# Altium PCB DD2090_4CAM_FFC.PcbDoc (part 4 of 4) (continued)
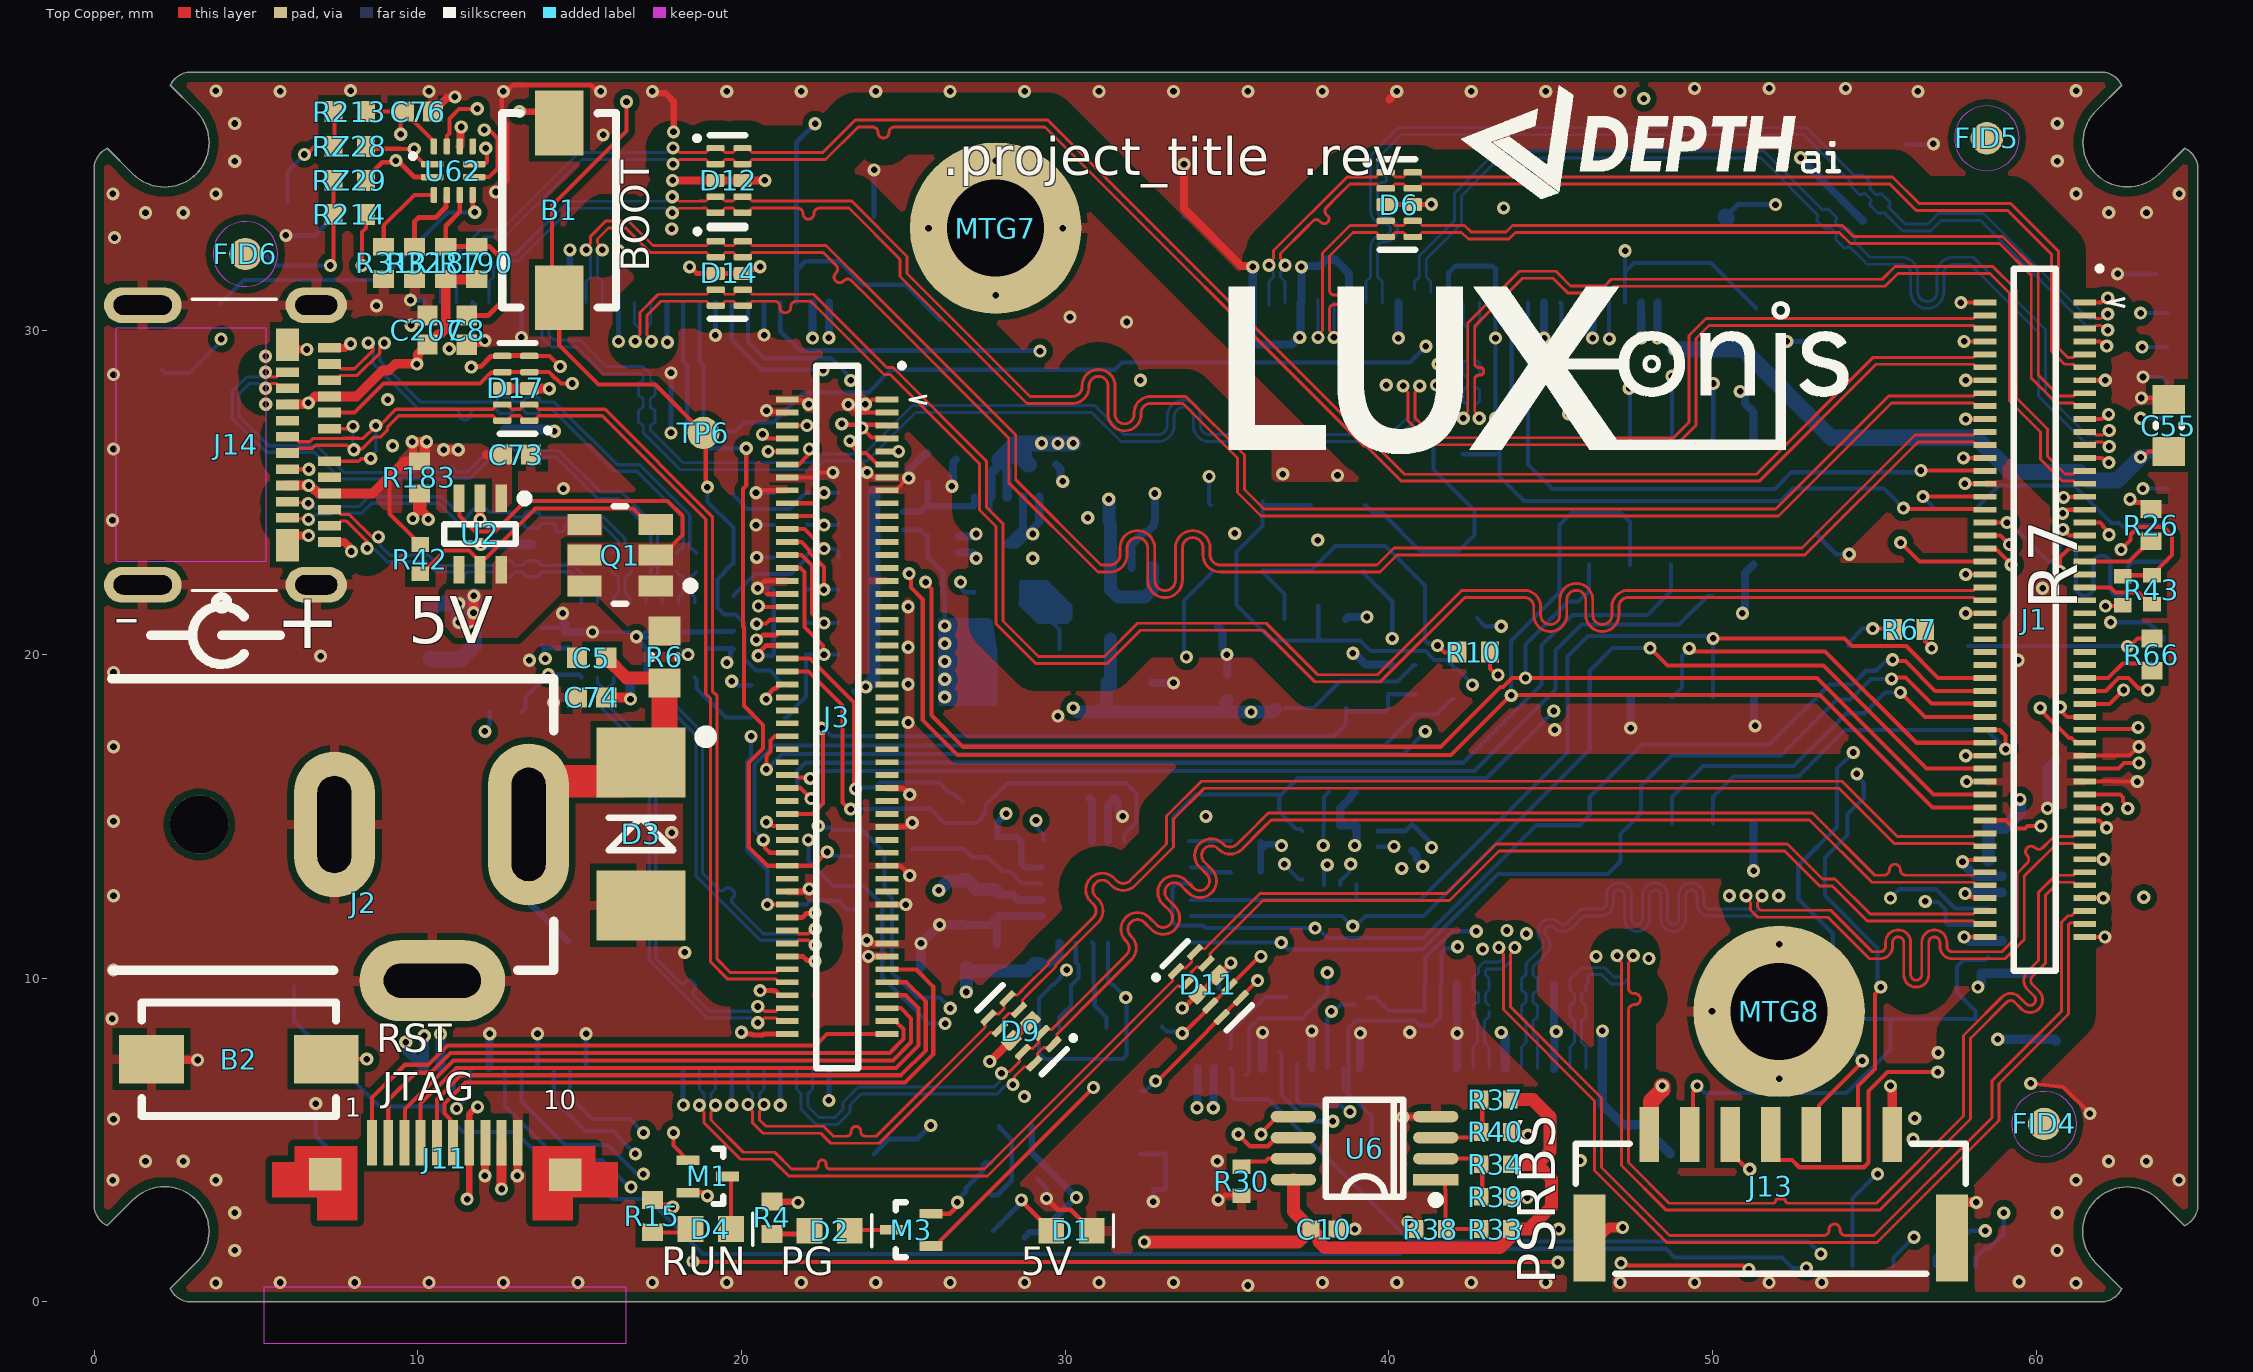
[diagram p0: Top Copper view]
## Nets (pads, with @x,y where several pads share a name; then routed paths per layer and width w, separated by ;. In a path a pad name is that pad's centre, name@x,y a point inside that pad or via, vN(x,y) a via of type N, cw(c..) or ccw(c..) an arc to the next point about the centre after c; other vN are vias at no path point) (continued)
  Layer 2 w0.127: 19.261,18.886 20.3,17.848 v1(20.3,17.47)
  Layer 2 w0.15: 9.902,26.252 9.902,25.289 9.47,24.856 9.47,21.003 11.478,18.995 14.194,18.995 14.203,19.005 19.143,19.005 19.261,18.886
  Layer 2 w0.3: v1(6.623,27.775) 6.623,26.65 5.975,26.002 5.975,25.5 6.257,25.218 v1@6.624,25.218 ; v1(6.629,25.223) v1@6.624,25.218 ; 10.419,29.632 9.852,29.065 9.852,26.912 10.232,26.532 10.511,26.252 ; v1(11.25,26.325) v1(10.8,26.325) 10.78,26.305 10.563,26.305 10.511,26.252 ; v1@6.624,25.218 8.868,25.218 9.902,26.252 10.511,26.252
  Layer 3 w0.3: v1(6.629,25.223) 10.448,25.223 11.23,26.005 11.23,26.305 v1(11.25,26.325)
  Bottom Layer w0.127: 20.176,14.375 20.176,13.949 ; v1(20.3,17.47) 20.3,16.822 20.176,16.698 20.176,13.949 ; TP40.1@23.5,12.125 23.264,12.125 22.995,12.393 22.122,12.393 22.004,12.275 v1(20.8,12.275) 20.8,13.325 20.176,13.949
VBUS_DET: C8.2 R187.2 R190.2 U62.5 | length 6.3
  Top Copper w0.152: U62.5@11.298,34.2 11.298,33.675 10.864,33.242 R187.2@10.864,32.6 12.223,32.6 12.598,32.225 12.598,30.9 12.168,30.471 C8.2@11.515,30.471
VDD_5V: C1.1 C2.1 C3.2 C4.2 C6.2 C76.2 J3.5 J3.6 J3.7 J3.8 J3.9 J3.10 J3.11 J3.12 J12.1 J12.2 J12.3 J13.1 Q1.4 R3.2 R4.2 R15.2 R213.2 R214.2 U1.2 U1.3 U1.10 U2.6 U4.1 U4.3 U62.12 | length 152.5
  Top Copper w0.127: v1(8.275,32.02) 8.275,33.05 8.398,33.173 R214.2@8.398,33.6 ; R213.2@8.423,36.775 C76.2@9.573,36.775 ; v1(9.473,36.075) 9.473,36.675 C76.2@9.573,36.775 ; U62.12@10.498,35.7 10.498,35.85 9.819,36.529 C76.2@9.573,36.775 ; v1(20.65,26.8) 20.775,26.675 J3.8@21.415,26.675 ; v1(20.825,26.275) J3.10@21.415,26.275 ; J3.12@21.415,25.875 21.775,25.875 22.075,26.175 22.075,26.325 v1(22.1,26.35) ; J3.6@21.415,27.075 v1(22.025,27.075) ; v1(23.1,27.125) 23.125,27.1 24.47,27.1 J3.5@24.495,27.075 ; v1(23.35,26.6) 23.35,26.524 23.547,26.327 23.547,26.299 23.622,26.225 23.85,26.225 24.2,25.875 J3.11@24.495,25.875 ; v1(23.725,27) 24.023,26.702 24.469,26.702 J3.7@24.495,26.675 ; J3.9@24.495,26.275 v1(24.857,26.275)
  Top Copper w0.2: R15.2@17.248,3.15 17.423,2.975 17.779,2.975 17.821,2.933 v1(17.877,2.933) ; R4.2@20.948,3.1 20.96,3.088 21.735,3.088 v1(21.748,3.075)
  Top Copper w0.3: v1@11.723,20.738 v1@11.723,21.875 ; v1(11.734,21.814) v1@11.734,21.866
  Top Copper w0.5: J13.1@48.1,4.774 48.1,6.2 48.45,6.55 v1(48.45,6.672)
  Layer 2 w0.127: 8.705,32.45 9.425,32.45
  Layer 2 w0.2: v1(17.877,2.933) 18.494,2.933 18.557,2.87 21.487,2.87 21.692,3.075 25.123,3.075 25.523,2.675 29.8,2.675 v1(30.35,3.225)
  Layer 2 w0.3: v1(8.275,32.02) 8.705,32.45
  Layer 3 w0.127: v1(8.275,32.02) 8.903,32.648 8.903,35.505 v1(9.473,36.075) ; v1(26.77,22.24) 27.29,22.24 28.075,23.025 28.075,24.85
  Layer 3 w0.2: 24.017,26.125 24.617,26.725 31.498,26.725 35.873,31.1 52.373,31.1 54.923,28.55 54.923,25.599 54.745,25.421 54.745,22.414 ; 54.014,21.353 54.014,22.414 54.745,22.414 ; 54.525,21.3 54.948,21.723 54.948,22.155 54.745,22.358 54.745,22.414
  Layer 3 w0.5: v1(30.35,3.225) 31.075,2.5 36.425,2.5 39.88,5.955 39.88,6.425 41.555,8.1 41.555,12.18 44.333,14.958 46.255,14.958 48.625,17.327 ; v1(48.45,6.672) 48.625,6.847 48.625,17.327 ; 53.996,22.032 53.329,22.032 48.625,17.327
  Bottom Layer w0.127: v1(26.77,22.24) 26.823,22.186 26.823,22.002 26.9,21.925 U1.10@27.2,21.925 ; U1.2@27.7,24.5 U1.2@27.7,24.875
  Bottom Layer w0.2: R3.2@28.75,2 28.908,2.158 29.258,2.158 v1@30.325,3.225 ; 28.975,5.425 28.975,4.6 v1(30.35,3.225)
  Bottom Layer w0.3: U1.2@27.7,24.875 27.7,25.6 C2.1@27.975,25.875 ; C2.1@27.975,26.025 28.725,26.025 C1.1@28.875,25.875 ; C2.1@28.025,26.025 28.075,25.975 28.075,25.875 28.21,25.74 28.21,24.885 U1.3@28.2,24.875
  Bottom Layer w0.4: v1(31.349,24.8) 31.35,24.799 31.35,24.125 C6.2@31.375,24.1 ; C6.2@31.399,23.999 U4.1@31.399,22.683 31.399,22.009 31.633,21.775 32.464,21.775 32.699,22.009 U4.3@32.699,22.683 ; J12.3@58.525,13.65 58.525,14.65 59.025,14.65 59.5,15.125 v1(59.5,15.525)
  Bottom Layer w0.5: C4.2@10.398,19.874 10.421,19.85 11.323,19.85 11.734,20.262 v1(11.734,21.814) ; C3.2@10.398,21.399 10.574,21.575 v1(11.273,21.575) v1(11.273,21) ; C2.1@27.975,26.025 28.475,26.525 28.725,26.525 ; C1.1@28.875,25.875 28.725,26.025 28.725,26.525 ; v1(30.249,26.526) v1(29.775,26.525) 28.725,26.525
  other v1: 11.72,20.73 11.722,21.291 29.274,26.526
WAKE: J3.68 U7.9 U12.6 | length 24.7
  Top Copper w0.127: v1(20.773,14.825) 20.848,14.825 20.972,14.701 21.389,14.701 J3.68@21.415,14.675
  Layer 2 w0.127: v1(29.1,14.875) 31.035,12.94 39.276,12.94 40.132,13.797 40.132,14.044 v1(40.16,14.072)
  Layer 3 w0.127: v1(20.773,14.825) 21.975,14.825 23.75,16.6 25,16.6 27.275,14.325 28.55,14.325 v1(29.1,14.875)
  Bottom Layer w0.127: v1(29.1,14.875) 29.153,14.822 29.153,14.621 29.328,14.446 U12.6@29.328,14.234 ; U7.9@39.662,14.05 39.673,14.061 40.149,14.061 v1(40.16,14.072)
XIN: C48.2 U12.27 Y1.1 | length 2.9
  Bottom Layer w0.127: Y1.1@29.815,8.467 29.815,8.792 30.18,9.157 C48.2@30.18,9.794 30.2,9.794 30.416,10.01 30.416,10.411 30.328,10.499 U12.27@30.328,11.109
XOUT: C47.2 U12.26 Y1.2 | length 2.8
  Bottom Layer w0.127: U12.26@30.828,11.109 30.872,11.065 30.872,9.837 C47.2@30.915,9.794 30.915,9.152 31.275,8.792 Y1.2@31.275,8.467
pads on no net: FID1.1 FID2.1 FID3.1 FID4.1 FID5.1 FID6.1 J1.43 J1.47 J1.49 J1.51 J1.52 J1.53 J1.54 J1.55 J1.56 J1.57 J1.58 J2. J3.17 J3.19 J3.21 J3.23 J3.25 J3.27 J3.31 J3.33 J3.35 J3.37 J3.39 J3.41 J3.43 J3.45 J3.47 J3.48 J3.49 J3.50 J3.51 J3.52 J3.53 J3.55 J3.56 J3.57 J3.58 J3.59 J3.63 J3.64 J3.65 J3.69 J3.70 J3.71 J3.75 J3.76 J3.77 J3.81 J3.83 J8.11 J8.12 J8.13 J8.14 J8.15 J9.11 J9.12 J9.13 J9.14 J9.15 J11.11 J11.12 J14.A8 J14.B8 U1.8 U2.4 U4.4 U7.2 U7.3 U7.10 U7.11 U12.1 U12.7 U12.8 U12.12 U12.13 U12.21 U12.22 U12.23 U12.24 U62.9
copper on no net: | length 2.7
  Bottom Layer w0.15: 27.715,3.3 27.92,3.3 27.995,3.375 27.995,3.395 28.35,3.75 28.35,5 27.975,5.375 27.975,5.425

## Polygon pours and split planes (outlines as drawn)
GND on Layer 3 "GND_L4" (solid, remove dead copper, pour order 15): -0.112,2.321 2.388,-0.179 61.821,-0.179 64.997,2.997 64.997,35.235 62.411,37.821 2.513,37.821 -0.112,35.196
3V3 on Layer 3 "3V3_L4" (solid, remove dead copper, pour order 1): 19.75,28.6 21.948,28.6 25.098,31.75 25.098,32.275 24.773,32.6 17.498,32.6 13.273,28.375 13.273,20.45 11.55,18.727 11.55,6.098 12.073,5.575 34.823,5.575 36.923,7.675 36.923,11.475 49.873,24.425 49.873,29.4 49.248,30.025 47.573,30.025 40.348,22.8 19.548,22.8 18.05,24.298 18.05,26.9
VDD_5V on Layer 3 "VDD_5V_L4" (solid, remove dead copper, pour order 0): 18.973,25.275 19.873,24.375 34.323,24.375 40.873,30.925 49.698,30.925 51.198,29.425 51.198,20.875 52.098,19.975 55.523,19.975 56.073,20.525 56.073,30.925 51.573,35.425 30.398,35.425 22.923,27.95 20.248,27.95 18.973,26.675
3V3 on Layer 3 "3V3_L04_P009" (solid, remove dead copper, pour order 9): 11.55,10.2 10.7,9.35 9.375,9.35 8.675,8.65 8.675,6.875 9.45,6.1 11.55,6.1
VDD_5V on Layer 3 "VDD_5V_L04_P012" (solid, remove dead copper, pour order 12): 56.05,22.45 56.775,22.45 61.175,18.05 61.175,14.9 60.825,14.55 59,14.55 57.975,15.575 57.975,17.225 55.2,20
VBUS on Layer 3 "VBUS_L4" (solid, remove dead copper, pour order 14): 6.748,29.3 6.148,28.7 6.148,25.177 6.55,24.775 10.523,24.775 11.548,25.8 11.548,30.1 11.348,30.3 10.348,30.3 10.148,30.1 10.148,29.6 9.548,29 7.848,29 7.548,29.3
GND on Layer 2 "GND_L3" (solid, remove dead copper, pour order 11): 0.223,2.45 2.673,0 61.997,0 64.997,2.999 64.997,35.002 61.973,38.025 2.673,38.025 -0.027,35.325 -0.027,2.725 0.248,2.45
VDD_5V on Layer 2 "VDD_5V_L3" (solid, remove dead copper, pour order 2): 10.823,21.05 11.448,20.425 14.648,20.425 15.598,21.375 15.598,22.75 16.948,24.1 23.848,24.1 24.823,25.075 24.823,27.7 23.798,28.725 21.973,28.725 16.423,34.275 8.223,34.275 7.923,33.975 7.923,32.75 8.598,32.075 10.973,32.075 12.398,30.65 12.398,23.95 10.823,22.375
VBUS on Layer 2 "VBUS_L3" (solid, remove dead copper, pour order 4): 5.548,23.352 6.25,22.65 9.848,22.65 11.498,24.3 11.498,30.275 10.523,31.25 6.858,31.25 5.548,29.94
1V8 on Layer 2 "1V8_L3" (solid, remove dead copper, pour order 3): 10.823,8.35 10.823,6.275 11.223,5.875 23.848,5.875 30.548,12.575 30.548,18.9 30.148,19.3 23.848,19.3 23.848,15.8 19.398,11.35 13.823,11.35
GND on Top Copper "GND_L1" (solid, remove dead copper, pour order 18): -0.027,3.45 -0.027,2.65 2.598,0.025 62.025,0.025 64.997,2.997 64.997,35.002 61.948,38.05 2.659,38.05 -0.027,35.364
NetQ1_1 on Top Copper "NETQ1_1_L01_P018_DC" (solid, remove dead copper, pour order 5): 17.075,20.275 15.55,21.8 14.625,21.8 14.625,22.725 14.625,23.45 18.4,23.45 18.4,20.275
VDD_5V on Top Copper "VDD_5V_TOP_DC" (solid, remove dead copper, pour order 10): 11.657,24.375 10.828,23.546 10.828,20.878 11.182,20.525 13.082,20.525 15.7,23.143 15.7,24.375
VBUS on Top Copper "VBUS_TOP_DC" (solid, remove dead copper, pour order 6): 8.725,24.375 12.9,24.375 12.9,26.65 12.297,27.253 9.872,27.253 8.725,26.107
GND on Bottom Layer "tgr" (solid, remove dead copper, pour order 17): -0.102,2.6 -0.052,2.55 2.598,-0.1 61.897,-0.1 65,3.003 65,35.232 62.182,38.05 2.623,38.05 -0.077,35.35 -0.077,2.65 -0.102,2.625
GND on Layer 4 (split plane): 195 vertices, not listed, extent 0.4,0.401 64.599,37.596
GND on Layer 1 (split plane): 195 vertices, not listed, extent 0.4,0.401 64.599,37.596

## Other copper
Top Copper:
  pour cut-out: 25.629,4.996 26.475,4.15 28.137,5.812 27.244,6.706 26.125,6.25
  pour cut-out: 29.9,25.198 30.748,24.35 33.825,24.35 34.375,24.9 34.375,25.975 33.325,27.025 29.9,27.025
  pour cut-out: 19.598,1.65 20.773,1.65 20.948,1.825 20.948,3.35 20.473,3.825 19.673,3.025 19.673,1.85
  pour cut-out: 28.548,21.5 29.548,20.5 31.048,20.5 32.048,21.5 32.048,22.1 30.348,23.8 28.548,23.8
  pour cut-out: 38.848,32.35 38.848,28.896 39.322,28.421 43.327,32.425 38.948,32.425 38.898,32.375
  pour cut-out: 44.323,30.75 43.398,29.825 43.398,27.75 43.773,27.375 48.423,27.375 48.773,27.725 48.773,30.775
  pour cut-out: 50.073,29.575 50.073,26.225 50.948,26.225 53.973,29.25 53.973,29.55
  pour cut-out: 36.498,22.15 36.498,21.275 37.698,20.075 39.248,20.075 40.973,21.8 40.973,22.075
Bottom Layer:
  region net 3V3: 27.75,21.05 27.675,21.125 26.075,21.125 26.075,18.425 27.9,18.425 27.9,20.075
  region net LX1: 28.6,22.3 29.45,22.3 30.225,21.525 30.225,21.1 30.075,20.95 29.15,20.95 28.575,21.525
  pour cut-out: 28.225,19.175 30.225,19.175 29.875,19.525 28.5,19.525
  pour cut-out: 32.621,28.434 32.838,28.65 39.345,28.65 39.685,28.31 38.963,27.588 32.646,27.588 32.646,28.359
  pour cut-out: 38.248,25.1 38.948,25.8 40.948,25.8 41.548,25.2 41.548,25.1 39.848,23.4 39.128,23.4 38.273,24.255 38.273,25.025
  pour cut-out: 58.202,17.655 58.148,17.71 58.148,19.3 57.348,19.3 57.139,19.091 57.139,18.109 57.548,17.7
  pour cut-out: 44.61,29.068 44.603,29.068 44.603,26.876 44.566,26.84 44.732,26.675 45.803,26.675 45.803,27.875
  pour cut-out: 29.648,7.6 31.108,7.6 31.275,7.767 31.275,8.092 30.9,8.467 30.733,8.3 29.648,8.3
  pour cut-out: 50.648,19.6 50.848,19.8 50.848,21.9 50.748,22 49.448,22 49.448,20.065 49.913,19.6
  pour cut-out: 50.648,23.6 50.648,24.6 50.508,24.74 47.891,24.74 47.622,24.471 47.622,23.926 48.048,23.5 50.548,23.5
  pour cut-out: 19.025,17.825 20.625,17.825 20.725,17.725 19.825,16.825 19.825,13.725 19.225,13.125 19.025,13.325
  pour cut-out: 20.098,9.675 20.563,10.14 20.563,10.318 18.506,12.375 17.823,12.375 17.823,11.05 19.023,9.85 19.673,9.85
  pour cut-out: 40.223,32.85 42.028,34.656 42.028,35.626 40.899,35.626 40.173,34.9 40.173,32.85
Layer 1 (plane layer: these items are gaps in the copper):
  rectangle: 20.981,10.9 21.833,11.654
  rectangle: 20.981,9.7 21.833,10.454
  rectangle: 20.981,8.5 21.833,9.254
  rectangle: 57.986,29.9 58.838,30.654
  rectangle: 57.986,28.7 58.838,29.454
  rectangle: 57.986,27.5 58.838,28.254
  rectangle: 57.986,26.3 58.838,27.054
  rectangle: 57.986,21.5 58.838,22.254
  rectangle: 57.986,13.9 58.838,14.654
  rectangle: 57.986,12.7 58.838,13.454
  rectangle: 57.986,11.5 58.838,12.254
  rectangle: 61.066,11.5 61.918,12.254
  rectangle: 61.066,12.7 61.918,13.454
  rectangle: 61.066,13.9 61.918,14.654
  rectangle: 61.066,29.9 61.918,30.654
  rectangle: 61.066,28.7 61.918,29.454
  rectangle: 61.066,27.5 61.918,28.254
  rectangle: 61.066,26.3 61.918,27.054
  rectangle: 61.066,25.1 61.918,25.854
  rectangle: 5.586,24.014 6.368,24.925
  rectangle: 6.886,23.764 7.668,24.675
  rectangle: 5.586,28.014 6.368,28.925
  rectangle: 6.886,28.264 7.668,29.175
  rectangle: 5.586,26.014 6.368,26.925
  rectangle: 6.886,26.756 7.668,27.175
  rectangle: 6.886,25.755 7.668,26.175
Layer 4 (plane layer: these items are gaps in the copper):
  region: 14.402,31.725 13.502,31.725 13.502,30.025 14.402,30.025
  region: 15.902,31.725 15.002,31.725 15.002,30.025 15.902,30.025
  region: 17.402,31.725 16.502,31.725 16.502,30.025 17.402,30.025
  region: 18.902,31.725 18.002,31.725 18.002,30.025 18.902,30.025
  region: 20.402,31.725 19.502,31.725 19.502,30.025 20.402,30.025
  rectangle: 21.498,6.375 22.398,8.075
  rectangle: 19.998,6.375 20.898,8.075
  rectangle: 18.498,6.375 19.398,8.075
  region: 17.857,21.916 17.857,21.291 18.75,21.291 18.75,21.916
  region: 16.857,21.916 16.857,21.291 17.75,21.291 17.75,21.916
  region: 15.857,21.916 15.857,21.291 16.75,21.291 16.75,21.916
  region: 14.857,21.916 14.857,21.291 15.75,21.291 15.75,21.916
  region: 15.357,19.616 15.357,18.991 16.25,18.991 16.25,19.616
  region: 17.357,19.616 17.357,18.991 18.25,18.991 18.25,19.616
  rectangle: 47.098,6.375 47.998,8.075
  rectangle: 45.598,6.375 46.498,8.075
  rectangle: 44.098,6.375 44.998,8.075
  rectangle: 42.098,30.025 42.998,31.725
  rectangle: 40.598,30.025 41.498,31.725
  rectangle: 39.098,30.025 39.998,31.725
  rectangle: 37.598,30.025 38.498,31.725
  rectangle: 36.098,30.025 36.998,31.725

## Silkscreen, mask and mechanical layers (free items; w line width, h text height)
Top Overlay:
  drawing of 18 lines, arcs and shapes, not listed
  text ".project_title  .rev" at 26.225,34.425 h2
  text "BOOT" at 17.448,31.825 h1.5 r90
  text "RST" at 8.725,7.425 h1.5
  text "JTAG" at 8.9,5.925 h1.5
  text "PSRBS" at 45.525,0.55 h2 r90
  text "RUN" at 17.523,0.525 h1.5
  text "PG" at 21.198,0.525 h1.5
  text "5V" at 28.623,0.525 h1.5
Bottom Overlay:
  lines w0.1: 55,12.25 56,10.75 ; 55.5,11 56,10.75 ; 56,11.25 56,10.75
  lines w0.254: 52.425,12.825 57.425,12.825 57.425,17.325 52.425,17.325 52.425,12.825
  text "AUX" at 50.05,28.275 h1.5
  text "CAMD-4L" at 27.925,27.825 h2
  text "CAMA-4L" at 41.275,27.825 h2
  text "PRBS" at 60.848,25.4 h1.5
  text "FSIN4" at 37.285,25.293 h1
  text "FSIN1" at 40.423,25.293 h1
  text ".project_title  .rev" at 11,23.425 h2
  text "FSIN3" at 37.292,23.332 h1
  text "FSIN2" at 40.43,23.332 h1
  text "SHUTTER SYNC" at 46.275,23.025 h1.5
  text "FSIN EXT" at 43.85,21.825 h1
  text "CAMA -> 1" at 57.175,16.335 h1
  text "CAMB -> 2" at 57.175,15.335 h1
  text "CAMC -> 3" at 57.175,14.336 h1
  text "CAMD -> 4" at 57.175,13.335 h1
  text "QSPI" at 50.175,12.025 h1.5
  text "CAMC-2L" at 23.1,10.3 h2
  text "CAMB-2L" at 43.45,10.3 h2
  text "4" at 54.5,9.75 h1
  text "3" at 55.75,9.761 h1
  text "2" at 57.001,9.75 h1
  text "1" at 58,9.75 h1
Top Mask:
  rectangle: 19.694,31.311 20.394,32.261
  rectangle: 18.859,31.311 19.559,32.261
  rectangle: 12.264,27.761 12.964,28.711
  rectangle: 13.099,27.761 13.799,28.711
  rectangle: 39.555,33.425 40.255,34.375
  rectangle: 40.39,33.425 41.09,34.375
  rectangle: 19.683,34.175 20.383,35.125
  rectangle: 18.848,34.175 19.548,35.125
  region: 64.859,35.914 63.798,34.854 cw(c62.826,35.826) 61.853,34.854 cw(c62.826,35.826) 61.853,36.798 62.914,37.859 61.765,39.008 60.702,37.945 ccw(c62.822,35.826) 60.702,33.707 60.706,33.703 ccw(c62.826,35.822) 64.945,33.703 66.008,34.765
  region: 64.855,2.083 63.795,3.144 ccw(c62.822,2.172) 61.85,3.144 ccw(c62.822,2.172) 61.85,1.2 62.911,0.139 61.762,-1.01 60.699,0.052 cw(c62.818,2.172) 60.699,4.291 60.703,4.295 cw(c62.822,2.176) 64.942,4.295 66.004,3.232
  region: 0.139,35.912 1.2,34.851 ccw(c2.172,35.823) 3.144,34.851 ccw(c2.172,35.823) 3.144,36.796 2.083,37.856 3.232,39.005 4.295,37.943 cw(c2.176,35.823) 4.295,33.704 4.291,33.7 cw(c2.172,35.819) 0.052,33.7 -1.01,34.763
  region: 2.083,0.141 3.144,1.202 ccw(c2.172,2.174) 3.144,3.147 ccw(c2.172,2.174) 1.2,3.147 0.139,2.086 -1.01,3.235 0.052,4.298 cw(c2.172,2.178) 4.291,4.298 4.295,4.294 cw(c2.176,2.174) 4.295,0.055 3.232,-1.008
  region: 34.131,10.198 34.831,9.498 34.906,9.498 35.306,9.898 35.306,9.998 34.656,10.648 34.556,10.648
  region: 33.541,9.607 34.241,8.907 34.316,8.907 34.716,9.307 34.716,9.407 34.066,10.057 33.966,10.057
  region: 28.338,8.765 29.038,8.065 29.113,8.065 29.513,8.465 29.513,8.565 28.863,9.215 28.763,9.215
  region: 27.748,8.175 28.448,7.475 28.523,7.475 28.923,7.875 28.923,7.975 28.273,8.625 28.173,8.625
Bottom Solder:
  rectangle: 44.612,8.624 45.625,9.323
  region: 18.311,27.844 18.311,28.544 17.361,28.544 17.361,27.844
  region: 18.311,27.009 18.311,27.709 17.361,27.709 17.361,27.009
  rectangle: 12.348,22.975 13.048,23.925
  rectangle: 13.183,22.975 13.883,23.925
  rectangle: 12.348,26.5 13.048,27.45
  rectangle: 13.183,26.5 13.883,27.45
  rectangle: 44.612,9.459 45.625,10.158
  rectangle: 41.575,8.626 42.588,9.325
  rectangle: 41.6,9.475 42.613,10.174
  rectangle: 42.812,27.649 43.825,28.348
  rectangle: 42.812,28.459 43.825,29.158
  region: 64.859,35.914 63.798,34.854 cw(c62.826,35.826) 61.853,34.854 cw(c62.826,35.826) 61.853,36.798 62.914,37.859 61.765,39.008 60.702,37.945 ccw(c62.822,35.826) 60.702,33.707 60.706,33.703 ccw(c62.826,35.822) 64.945,33.703 66.008,34.765
  region: 64.855,2.083 63.795,3.144 ccw(c62.822,2.172) 61.85,3.144 ccw(c62.822,2.172) 61.85,1.2 62.911,0.139 61.762,-1.01 60.699,0.052 cw(c62.818,2.172) 60.699,4.291 60.703,4.295 cw(c62.822,2.176) 64.942,4.295 66.004,3.232
  region: 0.139,35.912 1.2,34.851 ccw(c2.172,35.823) 3.144,34.851 ccw(c2.172,35.823) 3.144,36.796 2.083,37.856 3.232,39.005 4.295,37.943 cw(c2.176,35.823) 4.295,33.704 4.291,33.7 cw(c2.172,35.819) 0.052,33.7 -1.01,34.763
  region: 2.083,0.141 3.144,1.202 ccw(c2.172,2.174) 3.144,3.147 ccw(c2.172,2.174) 1.2,3.147 0.139,2.086 -1.01,3.235 0.052,4.298 cw(c2.172,2.178) 4.291,4.298 4.295,4.294 cw(c2.176,2.174) 4.295,0.055 3.232,-1.008
  region: 55.243,33.501 54.543,32.801 54.468,32.801 54.068,33.201 54.068,33.301 54.718,33.951 54.818,33.951
  region: 54.665,34.114 53.965,33.414 53.89,33.414 53.49,33.814 53.49,33.914 54.14,34.564 54.24,34.564
Board:
  lines w0.1: -0.002,2.998 -0.002,35 ; 0,2.999 ccw(c0.711,2.999) 0.41,2.355 ; 0,34.998 cw(c0.711,34.998) 0.41,35.642 ; 0.408,2.356 1.205,3.154 cw(c2.178,2.181) 3.15,1.209 2.353,0.412 ; 0.408,35.641 1.205,34.844 ccw(c2.178,35.816) 3.15,36.789 2.353,37.586 ; 2.354,0.41 ccw(c2.998,0.71) 2.998,0 61.997,0 ccw(c61.997,0.711) 62.641,0.41 ; 2.354,37.588 cw(c2.998,37.288) 2.998,37.998 62.001,37.998 cw(c62.001,37.287) 62.645,37.587 ; 62.64,0.408 61.843,1.205 cw(c62.815,2.178) 63.788,3.15 64.585,2.353 ; 62.644,37.59 61.846,36.792 ccw(c62.819,35.82) 63.791,34.848 64.588,35.645 ; 64.587,2.354 ccw(c64.287,2.998) 64.997,2.998 ; 64.59,35.643 cw(c64.29,35) 65,35 65,3
Fab Notes:
  drawing of 264 lines, arcs and shapes, not listed
  text "Layer" at 44.666,73.188 h1
  text "Name" at 48.849,73.188 h1
  text "Material" at 58,73.188 h1
  text "Thickness" at 65.268,73.188 h1
  text "Constant" at 71.237,73.188 h1
  text "Board Layer Stack" at 76.763,73.188 h1
  text "Top Overlay" at 48.849,71.188 h1
  text "Top Mask" at 48.849,69.188 h1
  text "Solder Resist" at 58,69.188 h1
  text "0,71mil" at 65.268,69.188 h1
  text "4.2" at 71.237,69.188 h1
  text "1" at 44.666,67.188 h1
  text "Top Copper" at 48.849,67.188 h1
  text "1,40mil" at 65.268,67.188 h1
  text "Dielectric 3 (1080)" at 48.849,65.188 h1
  text "PP-006" at 58,65.188 h1
  text "2,80mil" at 65.267,65.188 h1
  text "3.8" at 71.237,65.188 h1
  text "2" at 44.665,63.188 h1
  text "Layer 1" at 48.849,63.188 h1
  text "CF-004" at 58,63.188 h1
  text "1,38mil" at 65.268,63.188 h1
  text "Dielectric 1 (2116)" at 48.849,61.188 h1
  text "PP-016" at 58,61.188 h1
  text "4,60mil" at 65.268,61.188 h1
  text "4.1" at 71.237,61.188 h1
  text "3" at 44.666,59.188 h1
  text "Layer 2" at 48.849,59.188 h1
  text "CF-004" at 58,59.188 h1
  text "1,38mil" at 65.268,59.188 h1
  text "Core" at 48.849,57.188 h1
  text "q" at 58,57.188 h1
  text "39,00mil" at 65.268,57.188 h1
  text "4.6" at 71.237,57.188 h1
  text "4" at 44.666,55.188 h1
  text "Layer 3" at 48.849,55.188 h1
  text "CF-004" at 58,55.188 h1
  text "1,38mil" at 65.268,55.188 h1
  text "Dielectric 2 (2116)" at 48.849,53.188 h1
  text "PP-016" at 58,53.188 h1
  text "4,60mil" at 65.268,53.188 h1
  text "4.1" at 71.237,53.188 h1
  text "5" at 44.666,51.188 h1
  text "Layer 4" at 48.849,51.188 h1
  text "CF-004" at 58,51.188 h1
  text "1,38mil" at 65.268,51.188 h1
  text "Dielectric 4 (1080)" at 48.849,49.188 h1
  text "PP-006" at 58,49.188 h1
  text "2,80mil" at 65.267,49.188 h1
  text "3.8" at 71.237,49.188 h1
  text "6" at 44.666,47.188 h1
  text "Bottom Layer" at 48.849,47.188 h1
  text "1,40mil" at 65.268,47.188 h1
  text "Bottom Solder" at 48.849,45.188 h1
  text "Solder Resist" at 58,45.188 h1
  text "0,71mil" at 65.268,45.188 h1
  text "4.2" at 71.237,45.188 h1
  text "Bottom Overlay" at 48.849,43.188 h1
  text "Total board thickness:" at 44.666,41.188 h1
  text "63,53mil" at 65.268,41.188 h1
Top Courtyard:
  lines w0.1: -1.266,35.279 -0.207,34.221 ccw(c1.961,36.389) 1.961,33.323 ccw(c1.961,36.197) 3.993,34.165 ; 2.972,39.495 4.118,38.348 cw(c2.146,36.376) 4.935,36.376 cw(c1.869,36.376) 4.037,34.208
Bottom Courtyard:
  lines w0.1: -1.027,3.192 0.031,4.25 cw(c2.199,2.082) 2.199,5.149 cw(c2.199,2.274) 4.231,4.307 ; -1.006,34.758 0.052,33.7 ; 0.031,33.747 ccw(c2.199,35.915) 2.199,32.849 ccw(c2.199,35.724) 4.231,33.691 ; 3.21,-1.024 4.356,0.123 ccw(c2.384,2.095) 5.173,2.095 ccw(c2.107,2.095) 4.275,4.263 ; 3.21,39.021 4.356,37.875 cw(c2.384,35.903) 5.173,35.903 cw(c2.107,35.903) 4.275,33.735 ; 60.69,4.231 ccw(c62.723,2.199) 59.848,2.199 ccw(c62.914,2.199) 60.746,0.031 61.804,-1.027 ; 60.693,33.766 cw(c62.726,35.799) 59.851,35.799 cw(c62.918,35.799) 60.75,37.967 61.808,39.025 ; 60.734,4.275 cw(c62.902,2.107) 62.902,5.173 cw(c62.902,2.384) 64.874,4.356 66.02,3.21 ; 60.737,33.723 ccw(c62.905,35.891) 62.905,32.825 ccw(c62.905,35.614) 64.877,33.642 66.024,34.788
Drill Drawing:
  circle w0.254: c67.851,25.567 r0.46
  lines w0.254: 66.529,20.346 109.09,20.346 ; 66.529,34.835 109.09,34.835 ; 71.849,18.276 71.849,36.905 ; 76.717,18.276 76.717,36.905 ; 86.274,18.276 86.274,36.905 ; 90.4,18.276 90.4,36.905 ; 96.405,18.276 96.405,36.905 ; 66.529,18.276 109.09,18.276 109.09,36.905 66.529,36.905 66.529,18.276 ; 67.391,21.197 67.621,21.197 67.621,20.967 68.081,20.967 68.081,21.197 68.311,21.197 68.311,21.657 68.081,21.657 68.081,21.887 67.621,21.887 67.621,21.657 67.391,21.657 67.391,21.197 ; 67.391,23.957 68.311,23.957 67.851,23.037 67.391,23.957 ; 67.391,27.177 68.311,27.177 68.311,28.096 67.391,28.096 67.391,27.177 ; 67.391,29.706 67.851,29.246 68.311,29.706 67.851,30.166 67.391,29.706 ; 67.391,31.316 67.391,31.546 67.621,31.776 67.391,32.006 67.391,32.236 67.621,32.236 67.851,32.006 68.081,32.236 68.311,32.236 68.311,32.006 68.081,31.776 68.311,31.546 68.311,31.316 68.081,31.316 67.851,31.546 67.621,31.316 67.391,31.316 ; 67.391,33.386 68.311,33.386 68.311,34.306 67.391,34.306 67.391,33.386 ; 67.575,33.57 68.127,33.57 68.127,34.122 67.575,34.122 67.575,33.57
  text "Symbol" at 67.771,35.456 h1.2
  text "Count" at 72.47,35.456 h1.2
  text "Hole Size" at 77.338,35.456 h1.2
  text "Plated" at 86.895,35.456 h1.2
  text "Hole Type" at 91.021,35.456 h1.2
  text "Drill Layer Pair" at 97.026,35.456 h1.2
  text "584" at 72.47,33.386 h1
  text "8,00mil (0,203mm)" at 77.338,33.386 h1
  text "PTH" at 86.895,33.386 h1
  text "Round" at 91.021,33.386 h1
  text "Top Copper - Bottom Layer" at 97.026,33.386 h1
  text "2" at 72.47,31.316 h1
  text "23,62mil (0,600mm)" at 77.338,31.316 h1
  text "PTH" at 86.895,31.316 h1
  text "Slot" at 91.021,31.316 h1
  text "Top Copper - Bottom Layer" at 97.026,31.316 h1
  text "2" at 72.47,29.246 h1
  text "23,62mil (0,600mm)" at 77.338,29.246 h1
  text "PTH" at 86.895,29.246 h1
  text "Slot" at 91.021,29.246 h1
  text "Top Copper - Bottom Layer" at 97.026,29.246 h1
  text "2" at 72.47,27.177 h1
  text "41,34mil (1,050mm)" at 77.338,27.177 h1
  text "PTH" at 86.895,27.177 h1
  text "Slot" at 91.021,27.177 h1
  text "Top Copper - Bottom Layer" at 97.026,27.177 h1
  text "1" at 72.47,25.107 h1
  text "41,34mil (1,050mm)" at 77.338,25.107 h1
  text "PTH" at 86.895,25.107 h1
  text "Slot" at 91.021,25.107 h1
  text "Top Copper - Bottom Layer" at 97.026,25.107 h1
  text "1" at 72.47,23.037 h1
  text "70,87mil (1,800mm)" at 77.338,23.037 h1
  text "NPTH" at 86.895,23.037 h1
  text "Round" at 91.021,23.037 h1
  text "Top Copper - Bottom Layer" at 97.026,23.037 h1
  text "2" at 72.47,20.967 h1
  text "118,11mil (3,000mm)" at 77.338,20.967 h1
  text "PTH" at 86.895,20.967 h1
  text "Round" at 91.021,20.967 h1
  text "Top Copper - Bottom Layer" at 97.026,20.967 h1
  text "594 Total" at 72.47,18.897 h1
  text "Slot definitions :" at 67.771,17.448 h1
  text "Routed Path Length" at 74.582,17.448 h1
  text "= Calculated from tool start centre position to tool end centre position." at 83.024,17.448 h1
  text "Hole Length" at 74.582,16.62 h1
  text "= Routed Path Length + Tool Size = Slot length as defined in the PCB layout" at 79.89,16.62 h1

## Dimensions
2.998,0 to 2.998,37.998 on Dimensions
-0.027,2.65 to 64.975,4.875 on Dimensions

## Text inside footprints (layer, text, board x,y; h text height)
J1: Top Assembly "CONNECTOR A" at 63.876,20.475 h1.52 r270
J2: Top Overlay "+" at 7.6,19.625 h3; Top Overlay "-" at 0.575,19.875 h3; Top Overlay "5V" at 9.7,19.875 h2.5
J3: Top Assembly "BW2099 Module / <1mm clearance" at 38.525,12.9 h2 r90; Top Assembly "CONNECTOR B" at 21.049,13.075 h1.52 r90
J4: Bottom Overlay "1" at 45.248,27.364 h1; Bottom Overlay "9" at 52.348,27.375 h1
J5: Bottom Overlay "1" at 45.248,19.414 h1; Bottom Overlay "9" at 52.348,19.425 h1
J6: Bottom Overlay "1" at 34.423,30.7 h1.52; Bottom Overlay "26" at 50.298,30.65 h1.52
J8: Bottom Overlay "26" at 33.398,6.375 h1.52; Bottom Overlay "1" at 48.473,6.425 h1.52
J9: Bottom Overlay "26" at 9.575,6.4 h1.52; Bottom Overlay "1" at 24.575,6.425 h1.52
J10: Bottom Overlay "26" at 24.675,30.65 h1.52; Bottom Overlay "1" at 9.077,30.675 h1.52
J11: Top Overlay "10" at 13.873,5.75 h1; Top Overlay "1" at 7.748,5.525 h1; Assembly Notes "Top contact ffc" at 8.092,0.717 h1
J12: Bottom Overlay "1" at 58.75,15.925 h1.52 r270; Bottom Overlay "10" at 56.5,10.75 h1.52 r270
U61: Assembly Notes "Based on 0.125 thick stencil" at 14.203,20.555 h0.5 r180